# Altium PCB CrypTech.PcbDoc (part 1 of 6) (continued)
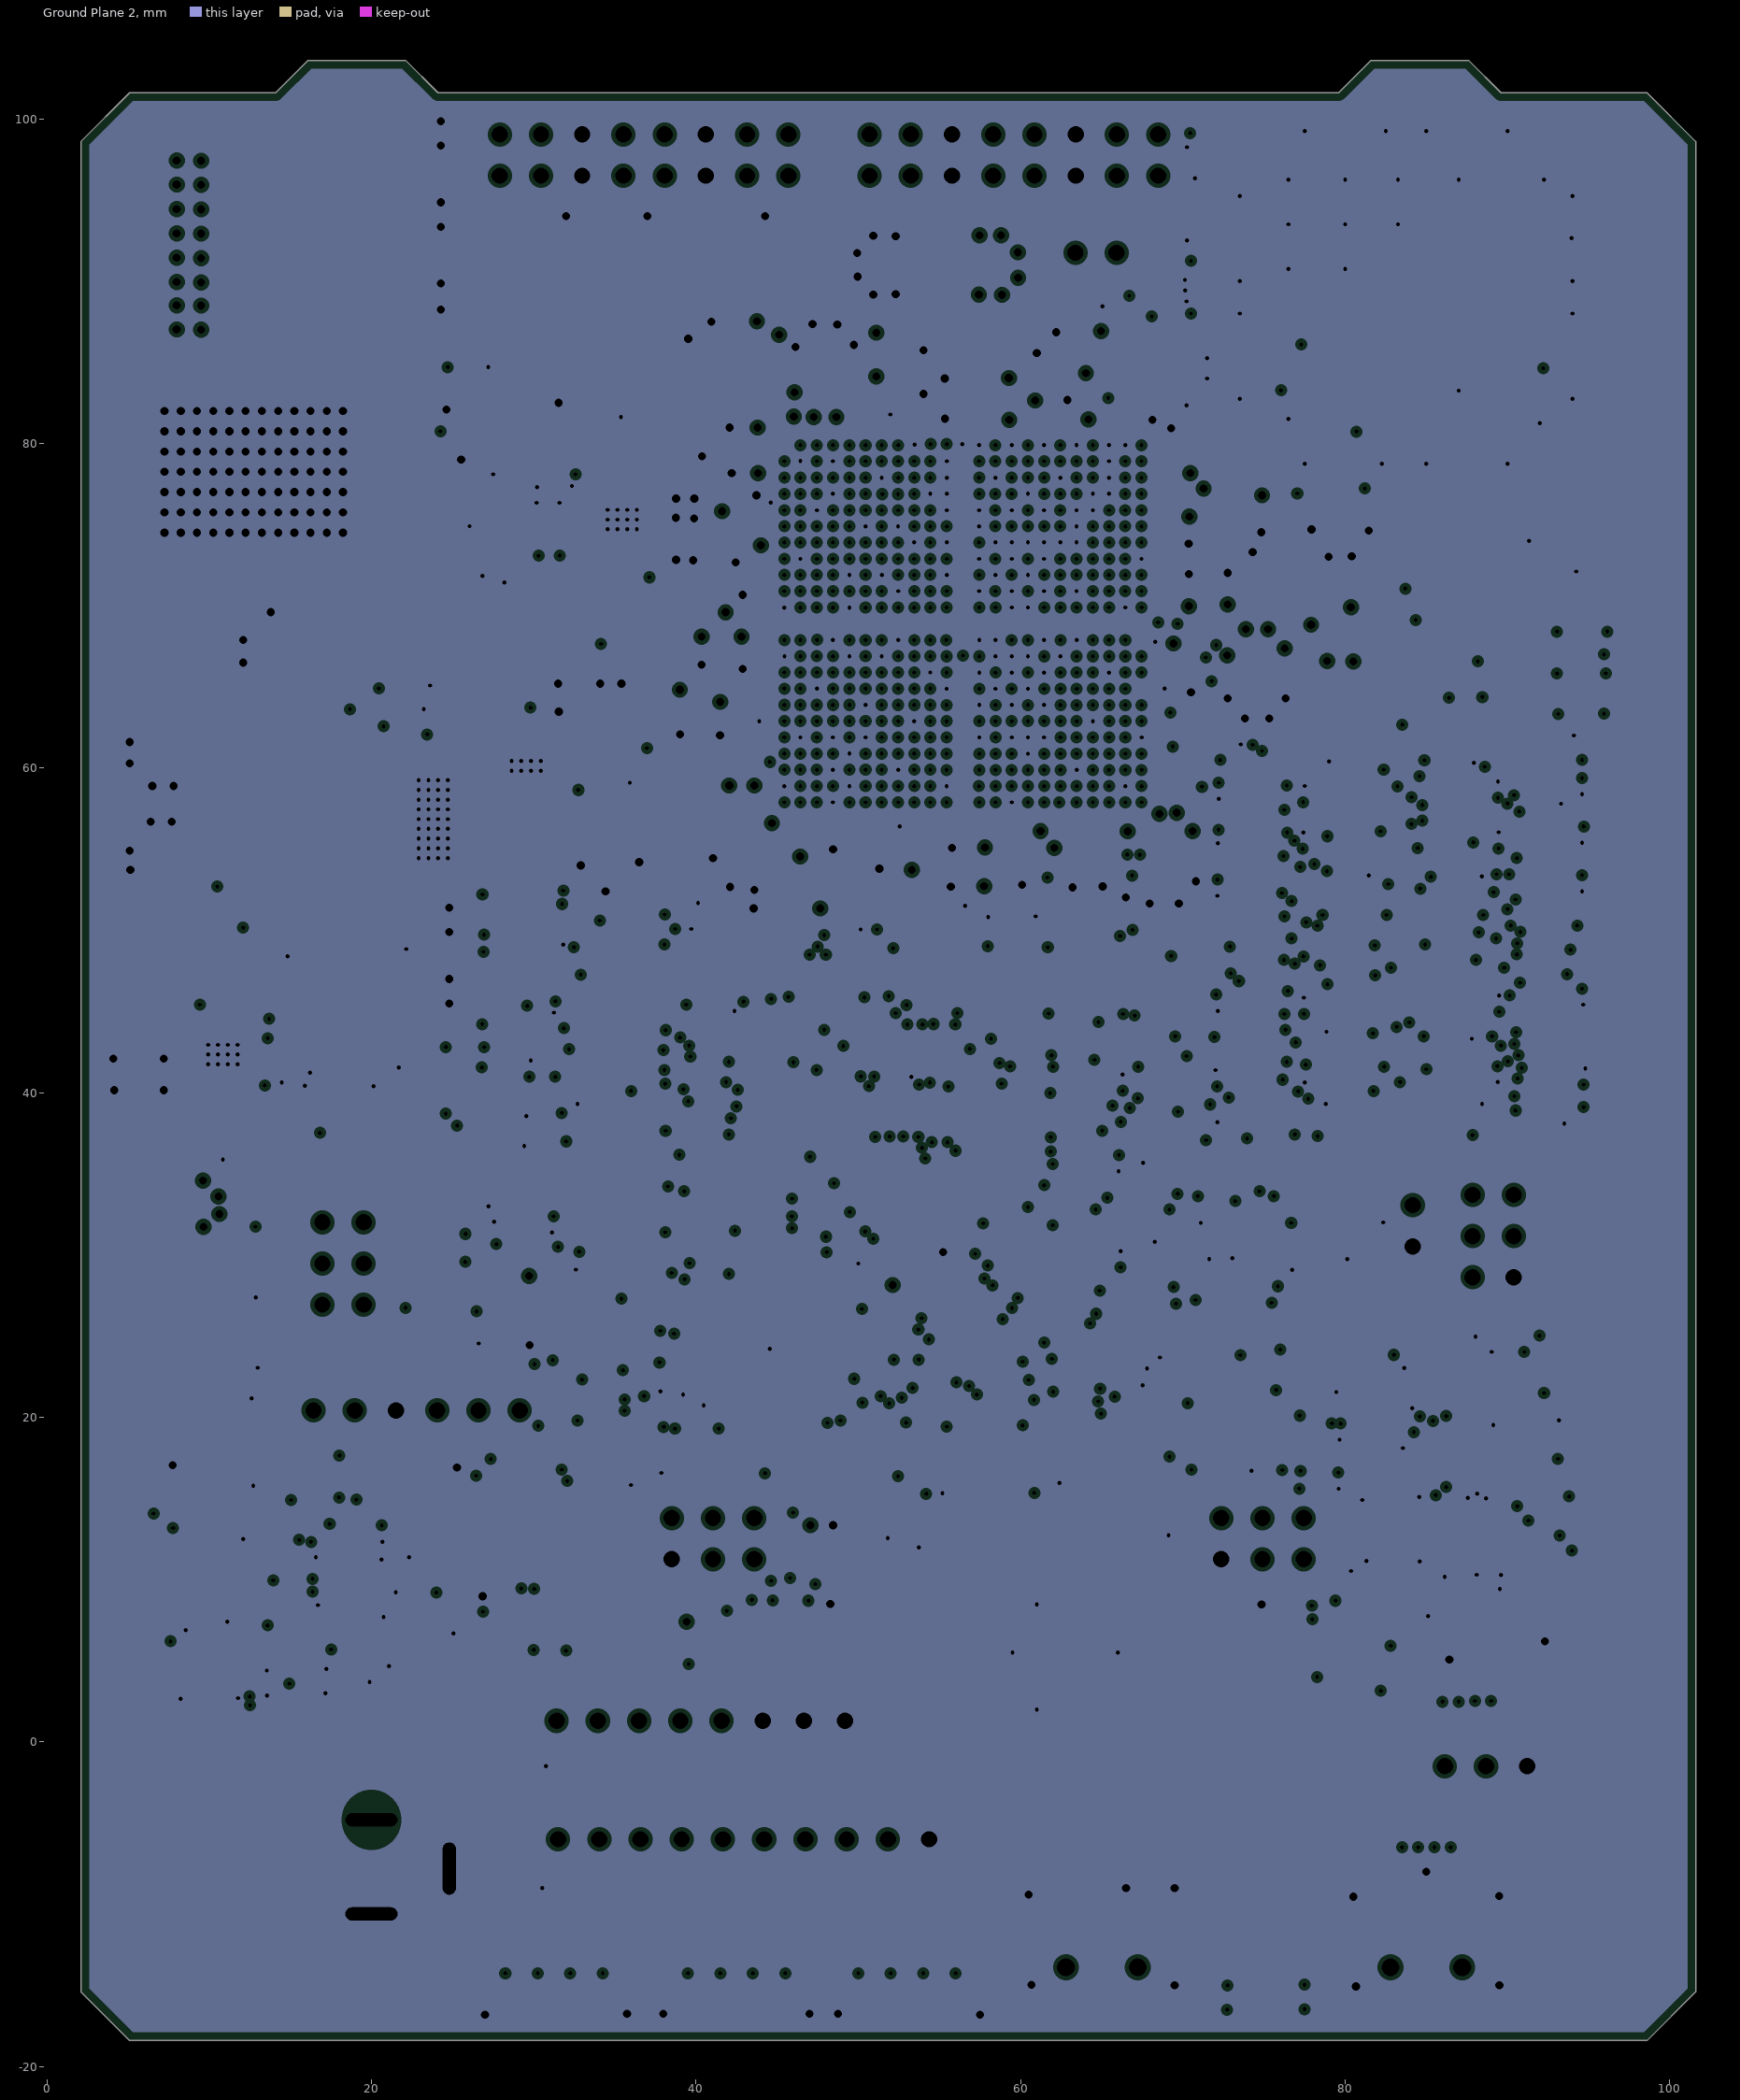
[diagram p7: Ground Plane 2, clearances drawn from the general rule]
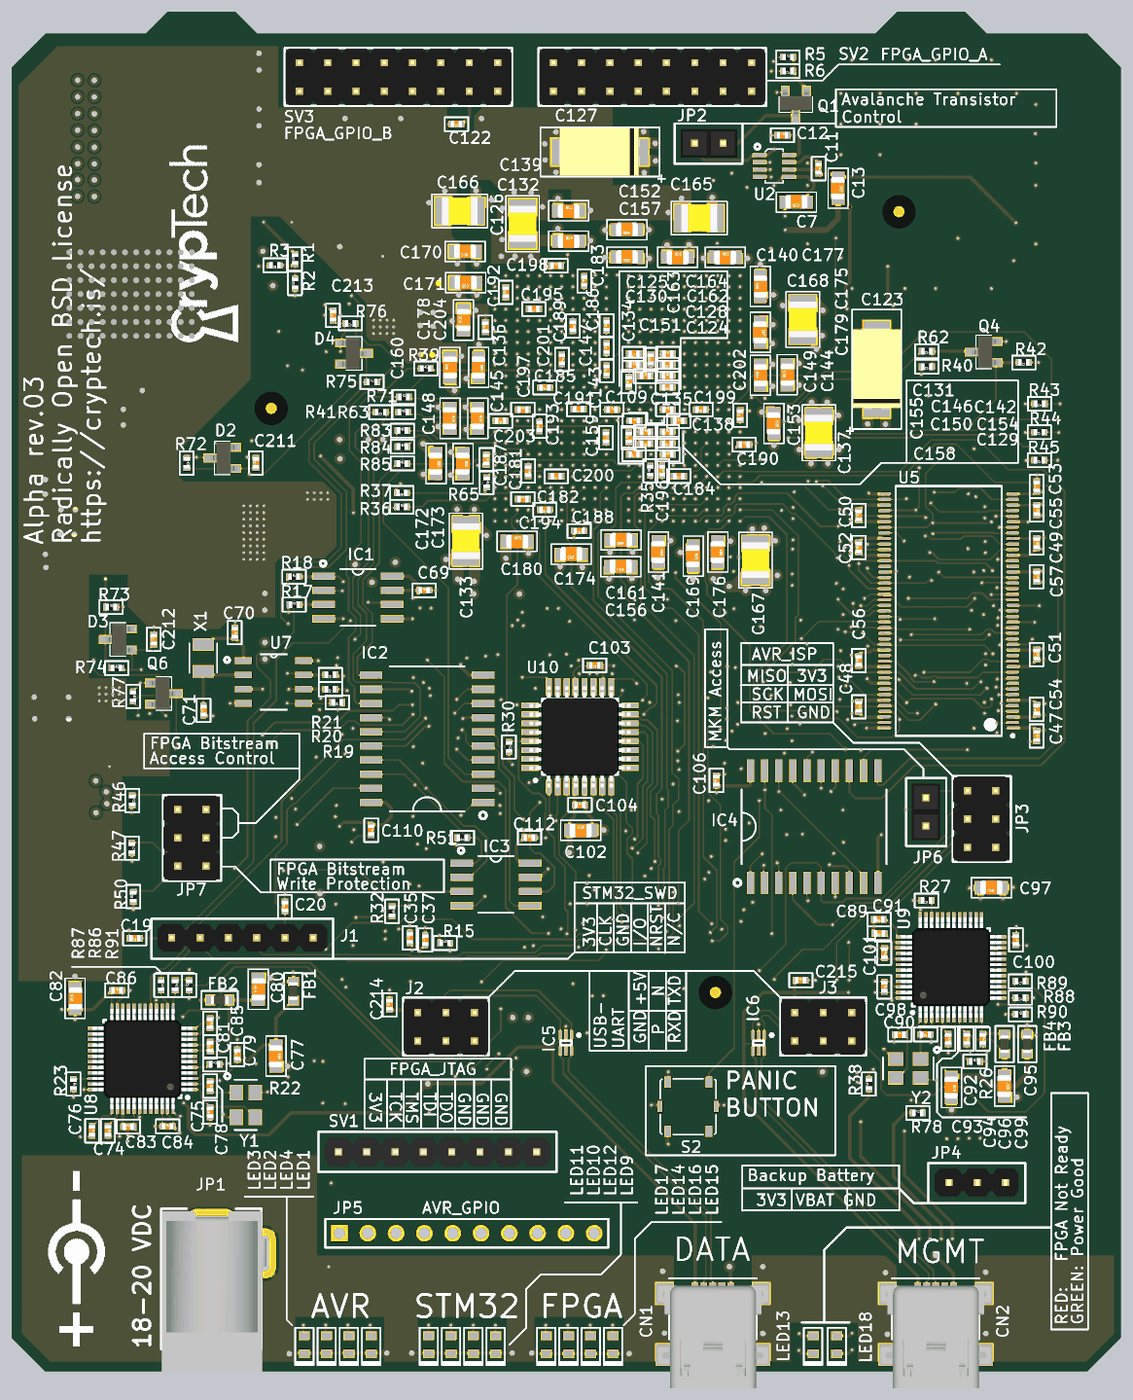
[diagram p13: 3D render of the assembled board from above, using the file's embedded part models]
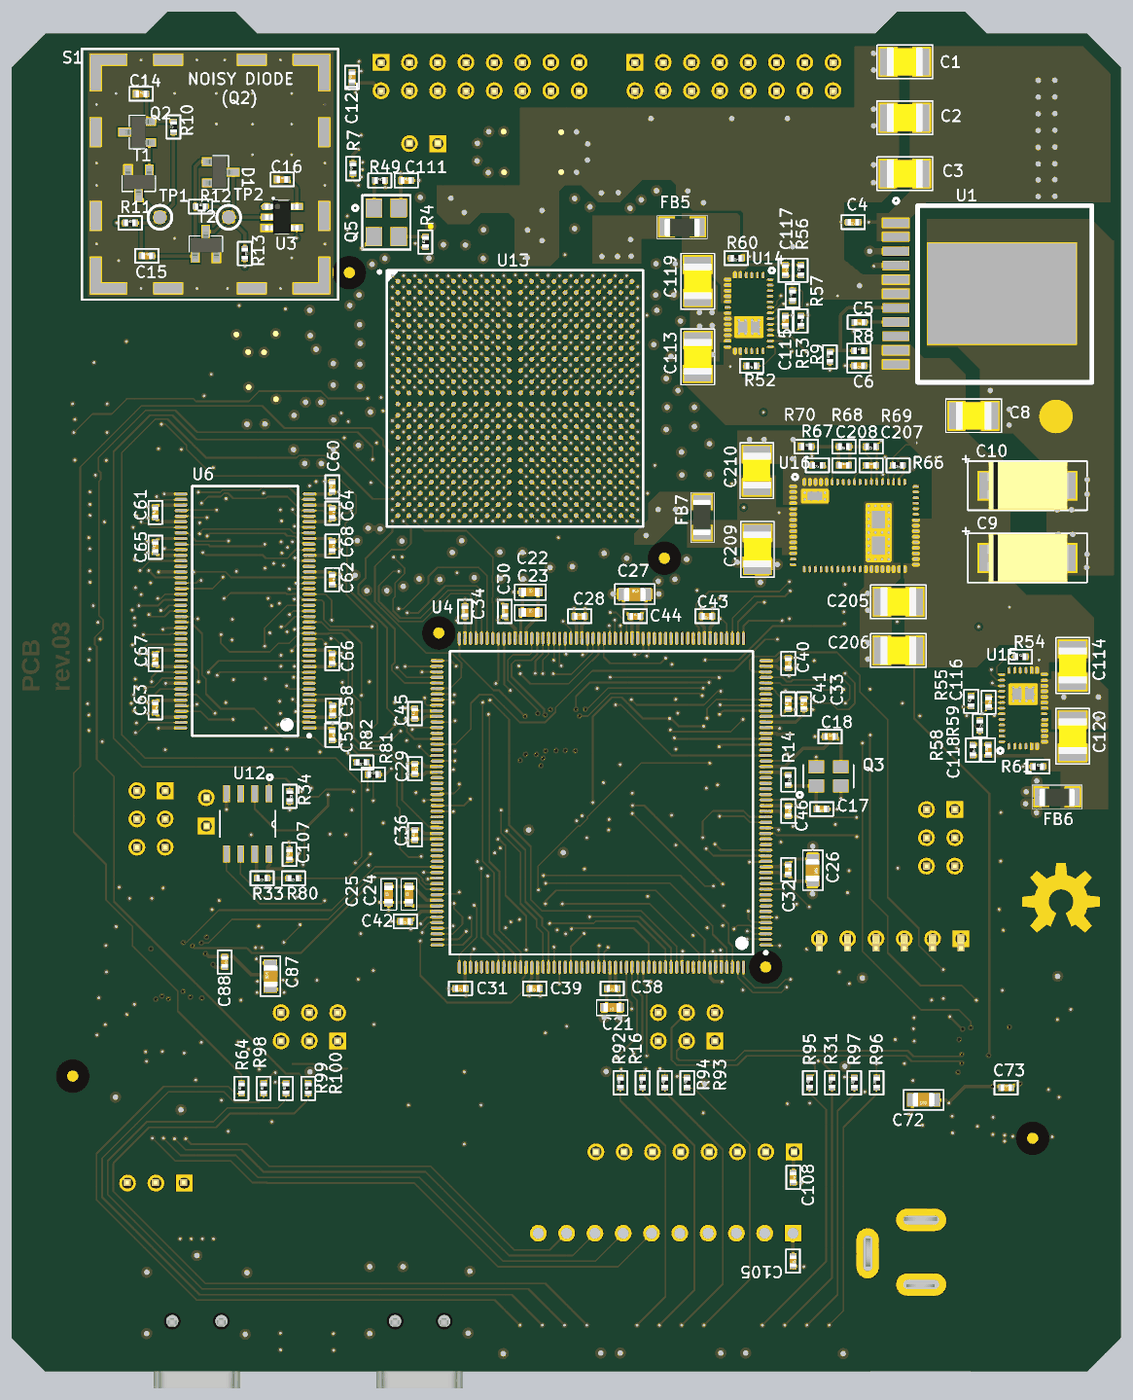
[diagram p14: 3D render of the assembled board from below, using the file's embedded part models]

## Layer stack, top to bottom
Top Solder: solder mask 0.0102, Solder Resist, Dk 3.5
Top: signal copper 0.0186
Dielectric 1: prepreg 0.1, FR-4, Dk 4.2
Ground Plane 1: plane copper 0.036, net GND
Dielectric 3: core 0.2, FR-4, Dk 4.2
Inner Layer 1: signal copper 0.036
Dielectric 6: prepreg 0.25, FR-4, Dk 4.2
3V3 Plane: plane copper 0.036, net VCCO_3V3
Dielectric 5: core 0.2, FR-4, Dk 4.2
Power Plane: plane copper 0.036, net (Multiple Nets)
Dielectric 4: prepreg 0.25, FR-4, Dk 4.2
Inner Layer 2: signal copper 0.036
Dielectric 7: core 0.2, FR-4, Dk 4.2
Ground Plane 2: plane copper 0.036, net GND
Dielectric 8: prepreg 0.1, FR-4, Dk 4.2
Bottom: signal copper 0.0186
Bottom Solder: solder mask 0.0102, Solder Resist, Dk 3.5

## Board outline
98.6,-18.4 101.6,-15.4 101.6,84.4 101.6,87.2 101.6,98.6 98.6,101.6 89.6,101.6 87.6,103.6 81.6,103.6 79.6,101.6 24.1,101.6 22.1,103.6 16.1,103.6 14.1,101.6 5.1,101.6 2.1,98.6 2.1,87.2 2.1,84.4 2.1,-15.4 5.1,-18.4

## Design rules (kind name [scope] priority, off if disabled: settings)
Clearance Clearance_Via_Inner [(IsVia AND OnLayer('Inner Layer 1')) OR (IsVia AND OnLayer('Inner Layer 2'))] p1: gap=0.25
Clearance Clearance_Inner_Poly [(InNamedPolygon('Inner 1 - GND')) OR (InNamedPolygon('Inner 2 - GND'))] p2: gap=0.5
Clearance Clearance_U16 [InComponent('U16')] p3: gap=0
Clearance Clearance_Keep_Out [(OnLayer('Keep-Out Layer'))] p4: gap=0
Clearance [All] p5: gap=0.15
ComponentClearance ComponentClearance_Under_shield [(InComponent('C16') OR InComponent('U3') OR InComponent('D1') OR InComponent('R12') OR InComponent('T2') OR HasFootprint('B1,27') OR InComponent('R13') OR InComponent('C15') OR InComponent('R11') OR InComponent('T1') OR InComponent('Q2') OR InComponent('R10') OR InComponent('C14'))] p1: gap=0 collisioncheckmode=3 verticalgap=0 showdistances=FALSE
ComponentClearance ComponentClearance_Shield [HasFootprint('WE-SHC_36103205_NO_CREAM')] p2: gap=0 collisioncheckmode=3 verticalgap=0 showdistances=FALSE
ComponentClearance [All] p3: gap=0.254 collisioncheckmode=3 verticalgap=0.254 showdistances=FALSE
DiffPairsRouting [All] p1: maxlimit=0.35 minlimit=0.2 mostfreqgap=0.3 toplayer_minwidth=0.15 toplayer_maxwidth=0.15 toplayer_prefwidth=0.15 midlayer1_minwidth=0.15 midlayer1_maxwidth=0.15 midlayer1_prefwidth=0.15 midlayer3_minwidth=0.15 midlayer3_maxwidth=0.15 midlayer3_prefwidth=0.15 bottomlayer_minwidth=0.15 bottomlayer_maxwidth=0.15 bottomlayer_prefwidth=0.15 maxuncoupledlength=12.7
FanoutControl Fanout_BGA [InComponent('U13')] p1: bgadir=Out bgaviamode=Centered fanoutstyle=BGA fanoutdirection=Alternating viagrid=0.025 // Fanout_BGA (Default Rule)
HoleSize [All] p1: absolutevalues=TRUE maxlimit=5 minlimit=0.025 maxpercent=80.000 minpercent=20.000
MatchedLengths [InNetClass('FPGA_GPIO')] p1: tolerance=70 checknetsindiffpair=TRUE checkdiffpairvsdiffpair=FALSE checkxsignals=FALSE checkothers=FALSE
MatchedLengths MatchedLengths_FMC_MCU_FPGA [InxSignalClass('xSignals_MCU_FPGA')] p2: tolerance=70 checknetsindiffpair=TRUE checkdiffpairvsdiffpair=FALSE checkxsignals=FALSE checkothers=FALSE
MatchedLengths MatchedLengths_FMC_FPGA_SDRAM_U5 [InxSignalClass('xSignals_FPGA_SDRAM_U5')] p3: tolerance=70 checknetsindiffpair=TRUE checkdiffpairvsdiffpair=FALSE checkxsignals=FALSE checkothers=FALSE
MatchedLengths MatchedLengths_FMC_MCU_SDRAM_U5 [InxSignalClass('xSignals_MCU_SDRAM_U5')] p4: tolerance=140 checknetsindiffpair=TRUE checkdiffpairvsdiffpair=FALSE checkxsignals=FALSE checkothers=FALSE
MatchedLengths MatchedLengths_FMC_MCU_SDRAM_U6 [InxSignalClass('xSignals_MCU_SDRAM_U6')] p5: tolerance=140 checknetsindiffpair=TRUE checkdiffpairvsdiffpair=FALSE checkxsignals=FALSE checkothers=FALSE
MatchedLengths MatchedLengths_FMC_FPGA_SDRAM_U6 [InxSignalClass('xSignals_FPGA_SDRAM_U6')] p6: tolerance=70 checknetsindiffpair=TRUE checkdiffpairvsdiffpair=FALSE checkxsignals=FALSE checkothers=FALSE
MinimumSolderMaskSliver [All] p1: minsoldermaskwidth=0.1
PasteMaskExpansion [All] p1: expansion=-0.05
PlaneClearance [All] p1: clearance=0.25
PlaneConnect PlaneConnect_Connector [(InPadClass('All Pads'))] p1: planeconnectstyle=Relief reliefexpansion=0.25 reliefentries=4 reliefconductorwidth=0.5 reliefairgap=0.25
PlaneConnect [All] p2: planeconnectstyle=Direct reliefexpansion=0.508 reliefentries=4 reliefconductorwidth=0.254 reliefairgap=0.254
PolygonConnect PolygonConnect_Connector [(InComponent('SV2') OR InComponent('SV3') OR InComponent('JP1'))] p1: connectstyle=Relief reliefconductorwidth=0.5 reliefentries=4 polygonreliefangle="45 Angle" airgapwidth=0.25
PolygonConnect [All] p2: connectstyle=Direct reliefconductorwidth=0.254 reliefentries=4 polygonreliefangle="90 Angle" airgapwidth=0.254
RoutingVias [All] p1: holewidth=0.25 width=0.5 viastyle="Through Hole" minholewidth=0.25 minwidth=0.5 maxholewidth=0.5 maxwidth=1
SilkToSilkClearance [All] p1: silktosilkclearance=0
SilkToSolderMaskClearance [IsPad] p1: minsilkscreentomaskgap=0.2 clearancetoexposedcopper=FALSE
SolderMaskExpansion SolderMaskExpansion_Holes [(InComponent('CN1') AND IsArc)] p1: expansion=0.25
SolderMaskExpansion [All] p2: expansion=0.05
ViasUnderSMD [All] p1: allowed=TRUE
Width Width_FMC_Inner [(InNetClass('FMC') AND OnLayer('Inner Layer 1')) OR (InNetClass('FMC') AND OnLayer('Inner Layer 2')) OR (InNetClass('FPGA_GPIO') AND OnLayer('Inner Layer 1'))] p1: maxlimit=0.164 minlimit=0.141 preferedwidth=0.164 toplayer_maxwidth=0.141 toplayer_prefwidth=0.141 midlayer1_minwidth=0.164 midlayer3_minwidth=0.164 bottomlayer_maxwidth=0.141 bottomlayer_prefwidth=0.141 impedancedriven=TRUE minimp=50.000000 maximp=50.000000 favimp=50.000000
Width Width_FPGA_GPIO_Inner [(InNetClass('FPGA_GPIO') AND OnLayer('Inner Layer 1'))] p2: maxlimit=0.164 minlimit=0.141 preferedwidth=0.164 toplayer_maxwidth=0.141 toplayer_prefwidth=0.141 midlayer1_minwidth=0.164 midlayer3_minwidth=0.164 bottomlayer_maxwidth=0.141 bottomlayer_prefwidth=0.141 impedancedriven=TRUE minimp=50.000000 maximp=50.000000 favimp=50.000000
Width Width_USB_Inner [(InNetClass('USB') AND OnLayer('Inner Layer 1')) OR (InNetClass('USB') AND OnLayer('Inner Layer 2'))] p3: maxlimit=0.164 minlimit=0.141 preferedwidth=0.164 toplayer_maxwidth=0.141 toplayer_prefwidth=0.141 midlayer1_minwidth=0.164 midlayer3_minwidth=0.164 bottomlayer_maxwidth=0.141 bottomlayer_prefwidth=0.141 impedancedriven=TRUE minimp=50.000000 maximp=50.000000 favimp=50.000000
Width Width_FMC_Upper [(InNetClass('FMC') AND OnLayer('Top')) OR (InNetClass('FMC') AND OnLayer('Bottom'))] p4: maxlimit=0.164 minlimit=0.15 preferedwidth=0.164 toplayer_maxwidth=0.15 toplayer_prefwidth=0.15 midlayer1_minwidth=0.164 midlayer3_minwidth=0.164 bottomlayer_maxwidth=0.15 bottomlayer_prefwidth=0.15 minimp=50.000000 maximp=50.000000 favimp=50.000000
Width Width_USB_Upper [(InNetClass('USB') AND OnLayer('Top')) OR (InNetClass('USB') AND OnLayer('Bottom'))] p5: maxlimit=0.164 minlimit=0.15 preferedwidth=0.164 toplayer_maxwidth=0.15 toplayer_prefwidth=0.15 midlayer1_minwidth=0.164 midlayer3_minwidth=0.164 bottomlayer_maxwidth=0.15 bottomlayer_prefwidth=0.15 minimp=50.000000 maximp=50.000000 favimp=50.000000
Width [All] p6: maxlimit=1 minlimit=0.15 preferedwidth=0.15
20 further rules are at their usual default settings.

## Classes and differential pairs
net class USB: D1_N D1_P DM_N DM_P USB_MGMT_N USB_MGMT_P USB_N USB_P
net class FPGA_GPIO: FPGA_GPIO_A_0 FPGA_GPIO_A_1 FPGA_GPIO_A_2 FPGA_GPIO_A_3 FPGA_GPIO_A_4 FPGA_GPIO_A_5 FPGA_GPIO_A_6 FPGA_GPIO_A_7 FPGA_GPIO_B_0 FPGA_GPIO_B_1 FPGA_GPIO_B_2 FPGA_GPIO_B_3 FPGA_GPIO_B_4 FPGA_GPIO_B_5 FPGA_GPIO_B_6 FPGA_GPIO_B_7
component class rev02_1: C1 C2 C3 C4 C5 C6 C7 C8 C9 C10 C11 C12 C13 JP1 JP2 Q1 R1 R2 R3 R5 R6 R7 R8 R9 U1 U2
component class rev02_2: C14 C15 C16 D1 Q2 R10 R11 R12 R13 S1 T1 T2 TP1 TP2 U3
component class rev02_3: C17 C18 C19 C20 J1 LED1 LED2 LED3 LED4 Q3 R14 R15 R16 R92 R93 R94
component class rev02_4: C21 C22 C23 C24 C25 C26 C27 C28 C29 C30 C31 C32 C33 C34 C35 C36 C37 C38 C39 C40 C41 C42 C43 C44 C45 C46 R32
component class rev02_5: U4
component class rev02_6: C47 C48 C49 C50 C51 C52 C53 C54 C55 C56 C57 C58 C59 C60 C61 C62 C63 C64 C65 C66 C67 C68 U5 U6
component class rev02_7: C69 IC1 R17 R18
component class rev02_8: C70 C71 R19 R20 R21 U7 X1
component class rev02_9: C72 C73 C74 C75 C76 C77 C78 C79 C80 C81 C82 C83 C84 C85 C86 C214 CN1 FB1 FB2 IC5 J2 R22 R23 R86 R87 R91 U8 Y1
component class rev02_10: C87 C88 C89 C90 C91 C92 C93 C94 C95 C96 C97 C98 C99 C100 C101 C215 CN2 FB3 FB4 IC6 J3 R26 R27 R88 R89 R90 U9 Y2
component class rev02_11: C102 C103 C104 C105 JP3 JP4 LED9 LED10 LED11 LED12 R30 R31 R82 R95 R96 R97 S2 U10
component class rev02_12: C106 C107 IC4 R33 R34 R80 R81 U12
component class rev02_13: C108 LED13 Q4 R35 R36 R37 R38 R39 R40 R41 R42 R43 R44 R45 R62 R63 R71 SV1 U13
component class rev02_14: C109
component class rev02_15: C110 C111 C112 IC2 IC3 JP7 Q5 R4 R46 R47 R49 R50 R51
component class rev02_18: C113 C114 C115 C116 C117 C118 C119 C120 FB5 FB6 R52 R53 R54 R55 R56 R57 R58 R59 R60 R61 U14 U15
component class rev02_19: C121 C122 LED14 LED15 LED16 LED17 R64 R98 R99 R100 SV2 SV3
component class rev02_20: R65 R83 R84 R85
component class rev02_22: C123 C124 C125 C126 C127 C128 C129 C130 C131 C132 C133 C134 C135 C136 C137 C138 C139 C140 C141 C142 C143 C144 C145 C146 C147 C148 C149 C150 C151 C152 C153 C154 C155 C156 C157 C158 C159 C160 C161 C162 C163 C164
component class rev02_23: C165 C166 C167 C168 C169 C170 C171 C172 C173 C174 C175 C176 C177 C178 C179 C180 C181 C182 C183 C184 C185 C186 C187 C188 C189 C190 C191 C192 C193 C194 C195 C196 C197 C198 C199 C200 C201 C202 C203 C204
component class rev02_24: C205 C206 C207 C208 C209 C210 FB7 R66 R67 R68 R69 R70 U16
component class rev02_25: C211 C212 C213 D2 D3 D4 LED18 Q6 R72 R73 R74 R75 R76 R77 R78
net class FMC: FMC_A0 FMC_A1 FMC_A2 FMC_A3 FMC_A4 FMC_A5 FMC_A6 FMC_A7 FMC_A8 FMC_A9 FMC_A10 FMC_A11 FMC_A12 FMC_A13 FMC_A14 FMC_A15 FMC_A16 FMC_A17 FMC_A18 FMC_A19 FMC_A20 FMC_A21 FMC_A22 FMC_A23 FMC_A24 FMC_A25 FMC_CLK FMC_D0 FMC_D1 FMC_D2 FMC_D3 FMC_D4 FMC_D5 FMC_D6 FMC_D7 FMC_D8 FMC_D9 FMC_D10 FMC_D11 FMC_D12 FMC_D13 FMC_D14 FMC_D15 FMC_D16 FMC_D17 FMC_D18 FMC_D19 FMC_D20 FMC_D21 FMC_D22 FMC_D23 FMC_D24 FMC_D25 FMC_D26 FMC_D27 FMC_D28 FMC_D29 FMC_D30 FMC_D31 FMC_NBL0 FMC_NBL1 FMC_NBL2 FMC_NBL3 FMC_NE1 FMC_NL FMC_NOE FMC_NWAIT FMC_NWE FMC_SDCKE0 FMC_SDCKE1 FMC_SDCLK FMC_SDNCAS FMC_SDNE0 FMC_SDNE1 FMC_SDNRAS FMC_SDNWE
differential pair DM: +DM_P -DM_N
differential pair D1: +D1_P -D1_N
differential pair USB_MGMT: +USB_MGMT_P -USB_MGMT_N
differential pair USB: +USB_P -USB_N

## Components (designator, comment, footprint, x,y, rotation, side; value= is the part's Value field where it differs from the comment)
C1 "" C_1210 21.463,99.085 r0 bottom
C2 "" C_1210 21.463,94.069 r0 bottom
C3 "" C_1210 21.463,89.052 r0 bottom
C4 "" C_0402 26.1,84.7 r0 bottom
C5 "GRM155R61A474KE15D" C_0402 25.55,75.725 r0 bottom
C6 "" C_0402 25.578,71.831 r0 bottom
C7 "TMK212AB7475KG-T" C_0805 72.5,86.5 r180 top
C8 "GRM32ER70J476ME20L" C_1210 15.291,67.335 r180 bottom
C9 "T520D337M006ATE015" C_D 10.465,54.585 r180 bottom
C10 "T520D337M006ATE015" C_D 10.465,61.062 r180 bottom
C11 "" C_0402 74.5,89.5 r270 top
C12 "" C_0402 71.25,92.5 r0 top
C13 "TMK212AB7475KG-T" C_0805 76.25,87.75 r270 top
C14 "" C_0402 89.992,96.215 r180 bottom
C15 "" C_0402 89.484,81.686 r180 bottom
C16 "" C_0402 77.343,88.544 r180 bottom
C17 "" C_0402 28.925,32.05 r0 bottom
C18 "" C_0402 28.175,38.55 r180 bottom
C19 "" C_0402 13.125,20.45 r180 top
C20 "" C_0402 26.6,23.3 r90 top
C21 "" C_0603 47.727,14.249 r0 bottom
C22 "" C_0603 55.067,51.511 r180 bottom
C23 "" C_0603 55.067,49.682 r180 bottom
C24 "" C_0603 65.964,24.384 r90 bottom
C25 "" C_0603 67.793,24.384 r90 bottom
C26 "" C_0805 29.718,26.568 r270 bottom
C27 "" C_0805 45.695,51.333 r180 bottom
C28 "" C_0402 50.648,49.352 r180 bottom
C29 "" C_0402 65.43,35.662 r270 bottom
C30 "" C_0402 57.353,49.784 r90 bottom
C31 "" C_0402 61.341,15.951 r0 bottom
C32 "" C_0402 31.928,26.619 r270 bottom
C33 "" C_0402 30.531,41.478 r90 bottom
C34 "" C_0402 60.935,49.784 r90 bottom
C35 "" C_0402 37.8,20.5 r90 top
C36 "" C_0402 65.43,29.743 r90 bottom
C37 "" C_0402 39.2,20.3 r90 top
C38 "" C_0402 47.727,15.951 r0 bottom
C39 "" C_0402 54.686,15.951 r0 bottom
C40 "" C_0402 31.928,45.136 r270 bottom
C41 "" C_0402 31.928,41.478 r90 bottom
C42 "" C_0402 66.294,21.971 r0 bottom
C43 "" C_0402 39.218,49.352 r0 bottom
C44 "" C_0402 45.644,49.352 r180 bottom
C45 "" C_0402 65.43,40.615 r90 bottom
C46 "" C_0402 31.928,31.877 r270 bottom
C47 "" C_0402 94.056,38.608 r270 top
C48 "" C_0402 78.105,41.227 r270 top
C49 "" C_0402 94.056,55.905 r270 top
C50 "" C_0402 78.105,58.395 r90 top
C51 "" C_0402 94.056,45.923 r270 top
C52 "" C_0402 78.105,55.524 r90 top
C53 "" C_0402 94.056,60.993 r90 top
C54 "" C_0402 94.056,40.996 r90 top
C55 "" C_0402 94.056,58.877 r270 top
C56 "" C_0402 78.105,45.364 r90 top
C57 "" C_0402 94.056,52.908 r270 top
C58 "" C_0402 72.822,40.892 r90 bottom
C59 "" C_0402 72.847,38.683 r270 bottom
C60 "" C_0402 72.847,60.957 r90 bottom
C61 "" C_0402 88.722,58.666 r90 bottom
C62 "" C_0402 72.847,52.629 r270 bottom
C63 "" C_0402 88.722,41.148 r270 bottom
C64 "" C_0402 72.847,58.598 r270 bottom
C65 "" C_0402 88.722,55.546 r90 bottom
C66 "" C_0402 72.847,45.542 r270 bottom
C67 "" C_0402 88.722,45.487 r90 bottom
C68 "" C_0402 72.847,55.651 r270 bottom
C69 "" C_0402 39.1,51.675 r0 top
C70 "" C_0402 22.1,47.875 r270 top
C71 "" C_0402 19.3,40.9 r90 top
C72 "GRM21BR71A475KA73L" C_0805 19.776,5.961 r0 bottom
C73 "" C_0402 12.372,7.066 r180 bottom
C74 "" C_0402 10.72,3.184 r270 top
C75 "" C_0402 19.889,4.861 r90 top
C76 "" C_0402 9.297,3.184 r270 top
C77 "" C_0805 25.807,9.89 r270 top
C78 "" C_0402 19.889,7.198 r270 top
C79 "" C_0402 22.325,10.025 r90 top
C80 "" C_0805 24.207,15.884 r90 top
C81 "" C_0402 19.889,10.728 r90 top
C82 "GRM21BR71A475KA73L" C_0805 7.773,15.072 r90 top
C83 "" C_0402 12.549,3.565 r0 top
C84 "" C_0402 16.079,3.591 r0 top
C85 "" C_0402 19.889,12.836 r270 top
C86 "" C_0402 11.533,15.783 r0 top
C87 "GRM21BR71A475KA73L" C_0805 78.404,17.071 r90 bottom
C88 "" C_0402 82.508,18.335 r270 bottom
C89 "" C_0402 79.959,20.898 r180 top
C90 "" C_0402 81.8,11.825 r0 top
C91 "" C_0402 79.925,22.15 r180 top
C92 "" C_0805 86.419,7.067 r270 top
C93 "" C_0402 84.099,11.83 r180 top
C94 "" C_0402 86.131,11.423 r270 top
C95 "" C_0805 91.186,7.207 r270 top
C96 "" C_0402 87.782,11.423 r270 top
C97 "GRM21BR71A475KA73L" C_0805 90,25 r180 top
C98 "" C_0402 80.391,16.097 r270 top
C99 "" C_0402 89.23,11.423 r270 top
C100 "" C_0402 92.202,20.313 r270 top
C101 "" C_0402 80.391,19.12 r270 top
C102 "" C_0805 53.153,30.148 r0 top
C103 "" C_0402 54.404,44.951 r180 top
C104 "" C_0402 53.083,32.429 r0 top
C105 "" C_0402 31.5,-8.5 r270 bottom
C106 "" C_0402 65.325,34.625 r90 top
C107 "" C_0402 76.683,27.975 r90 bottom
C108 "" C_0402 31.484,-1 r270 bottom
C109 "" C_0402 55.956,67.894 r0 top
C110 "" C_0402 34.352,30.148 r270 top
C111 "" C_0402 66.2,88.443 r180 bottom
C112 "" C_0402 48.55,29.475 r0 top
C113 "C3225X5R1C226M250AA" C_1210 40.056,72.619 r90 bottom
C114 "C3225X5R1C226M250AA" C_1210 6.401,44.933 r270 bottom
C115 "" C_0402 32.182,75.844 r90 bottom
C116 "" C_0402 13.95,41.625 r270 bottom
C117 "" C_0402 32.182,80.391 r270 bottom
C118 "" C_0402 13.975,37.35 r90 bottom
C119 "GRM32ER70J476ME20L" C_1210 40.056,79.4 r270 bottom
C120 "GRM32ER70J476ME20L" C_1210 6.401,38.583 r90 bottom
C121 "" C_0402 71.075,97.7 r90 bottom
C122 "" C_0402 42,93.5 r180 top
C123 "T520D337M006ATE015" C_D 79.705,71.501 r90 top
C124 "GRM155R61A474KE15D" C_0402 60.935,69.875 r180 top
C125 "GRM155R61A474KE15D" C_0402 57.937,72.898 r180 top
C126 "GRM32ER70J476ME20L" C_1210 47.93,84.557 r90 top
C127 "T520D337M006ATE015" C_D 54.875,90.997 r180 top
C128 "GRM155R61A474KE15D" C_0402 60.935,70.917 r0 top
C129 "GRM155R61A474KE15D" C_0402 60.96,63.856 r0 top
C130 "GRM155R61A474KE15D" C_0402 57.937,71.907 r0 top
C131 "GRM155R61A474KE15D" C_0402 57.963,66.904 r0 top
C132 "GRM21BR71A475KA73L" C_0805 52.07,83.007 r0 top
C133 "GRM32ER70J476ME20L" C_1210 42.85,56.091 r270 top
C134 "GRM155R61A474KE15D" C_0402 57.455,70.409 r90 top
C135 "GRM155R61A474KE15D" C_0402 60.96,67.894 r0 top
C136 "GRM21BR71A475KA73L" C_0805 43.993,71.679 r270 top
C137 "GRM32ER70J476ME20L" C_1210 74.524,65.811 r270 top
C138 "GRM155R61A474KE15D" C_0402 61.951,66.878 r0 top
C139 "GRM21BR71A475KA73L" C_0805 52.07,85.725 r0 top
C140 "GRM21BR71A475KA73L" C_0805 61.849,81.559 r0 top
C141 "GRM21BR71A475KA73L" C_0805 60.122,55.118 r270 top
C142 "GRM155R61A474KE15D" C_0402 60.935,65.888 r0 top
C143 "GRM155R61A474KE15D" C_0402 55.474,71.399 r90 top
C144 "GRM21BR71A475KA73L" C_0805 71.679,71.018 r90 top
C145 "GRM21BR71A475KA73L" C_0805 43.917,67.107 r270 top
C146 "GRM155R61A474KE15D" C_0402 58.979,65.888 r0 top
C147 "GRM155R61A474KE15D" C_0402 55.474,73.406 r90 top
C148 "GRM21BR71A475KA73L" C_0805 41.427,67.107 r270 top
C149 "GRM21BR71A475KA73L" C_0805 69.266,70.968 r90 top
C150 "GRM155R61A474KE15D" C_0402 58.953,64.846 r180 top
C151 "GRM155R61A474KE15D" C_0402 58.953,70.891 r0 top
C152 "GRM21BR71A475KA73L" C_0805 57.302,84.023 r180 top
C153 "GRM21BR71A475KA73L" C_0805 70.485,66.65 r270 top
C154 "GRM155R61A474KE15D" C_0402 60.935,64.846 r180 top
C155 "GRM155R61A474KE15D" C_0402 57.455,65.38 r90 top
C156 "GRM21BR71A475KA73L" C_0805 56.744,53.797 r180 top
C157 "GRM21BR71A475KA73L" C_0805 57.302,81.559 r180 top
C158 "GRM155R61A474KE15D" C_0402 57.937,63.881 r180 top